# KiCad board testhologram v2.kicad_pcb
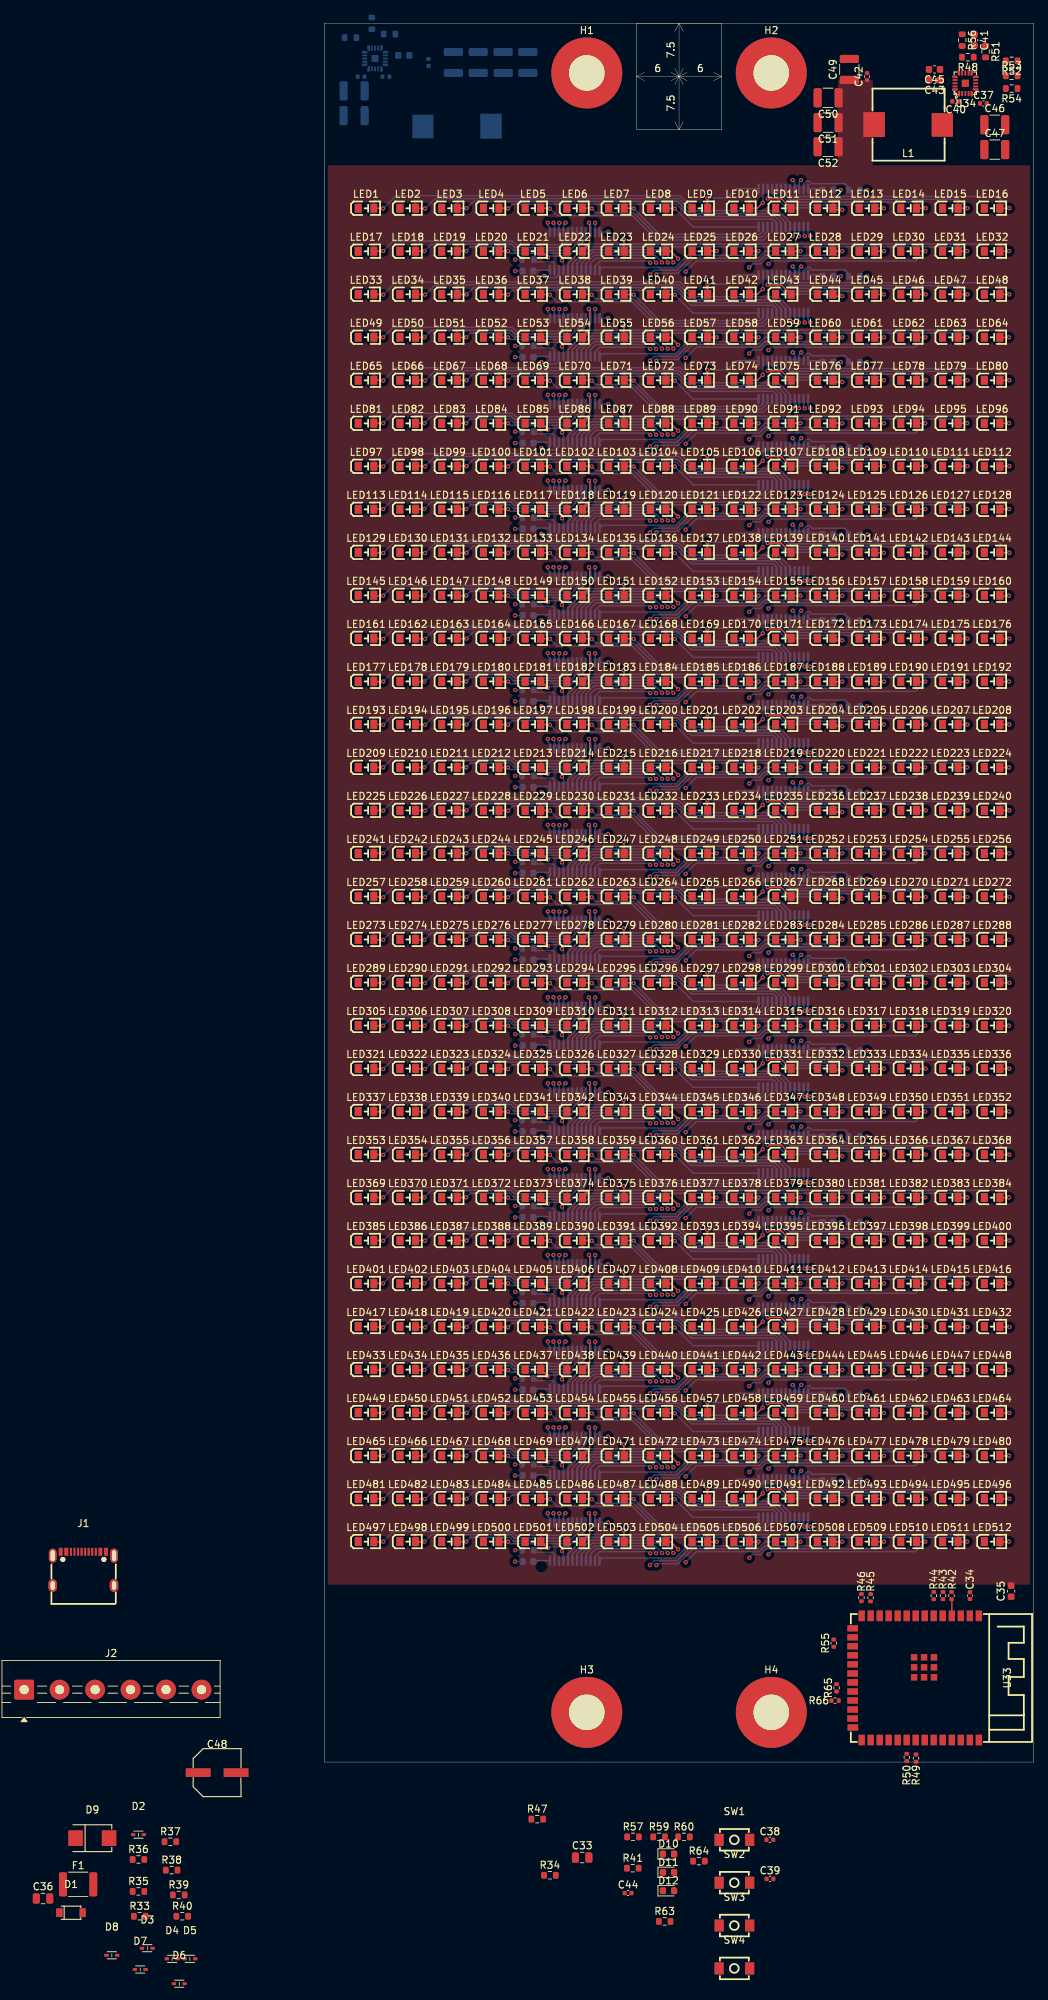
[diagram p0: board, top side]
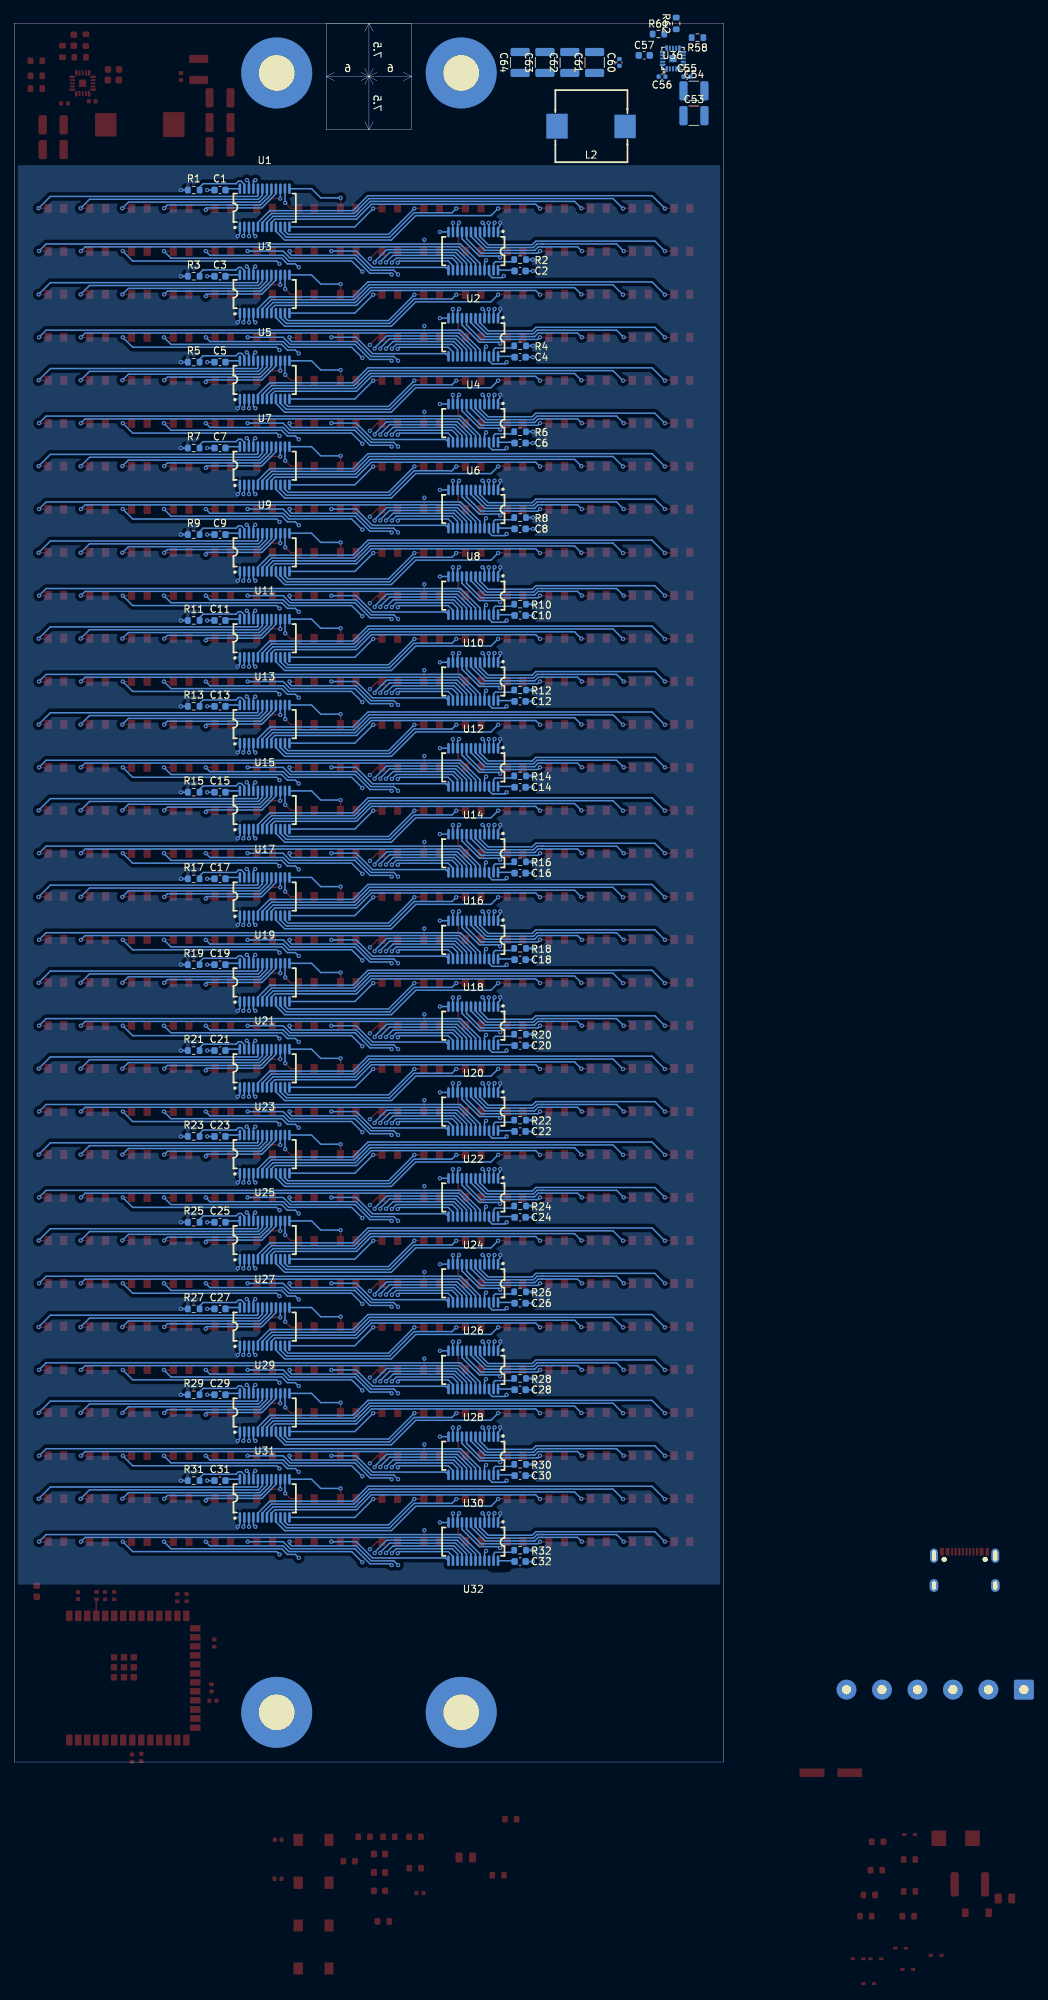
[diagram p1: board, bottom side, seen from below]

Outline 100 x 245 mm; copper layers: Top, In1.Cu, In2.Cu, In3.Cu, In4.Cu, Bottom. Coordinates in mm from the lower left corner of the outline.
Outline path: 100,0 0,0 0,245 100,245 closed ; rectangle 44,245 56,230
Stack: Top 0.035mm / dielectric 0.1mm FR4 er 4.5 / In1.Cu 0.035mm / dielectric 0.535mm FR4 er 4.5 / In2.Cu 0.035mm / dielectric 0.1mm FR4 er 4.5 / In3.Cu 0.035mm / dielectric 0.535mm FR4 er 4.5 / In4.Cu 0.035mm / dielectric 0.1mm FR4 er 4.5 / Bottom 0.035mm

## Placement (name value [footprint] x y rotation side)
C1  C_Small  [C_0603_1608Metric]  71 221.5 180 bottom
C2  C_Small  [C_0603_1608Metric]  28.7 210.1 0 bottom
C3  C_Small  [C_0603_1608Metric]  71 209.35 180 bottom
C4  C_Small  [C_0603_1608Metric]  28.7 197.95 0 bottom
C5  C_Small  [C_0603_1608Metric]  71 197.25 180 bottom
C6  C_Small  [C_0603_1608Metric]  28.7 185.85 0 bottom
C7  C_Small  [C_0603_1608Metric]  71 185.15 180 bottom
C8  C_Small  [C_0603_1608Metric]  28.7 173.75 0 bottom
C9  C_Small  [C_0603_1608Metric]  71 172.95 180 bottom
C10  C_Small  [C_0603_1608Metric]  28.7 161.55 0 bottom
C11  C_Small  [C_0603_1608Metric]  71 160.85 180 bottom
C12  C_Small  [C_0603_1608Metric]  28.7 149.45 0 bottom
C13  C_Small  [C_0603_1608Metric]  71 148.75 180 bottom
C14  C_Small  [C_0603_1608Metric]  28.7 137.35 0 bottom
C15  C_Small  [C_0603_1608Metric]  71 136.65 180 bottom
C16  C_Small  [C_0603_1608Metric]  28.7 125.25 0 bottom
C17  C_Small  [C_0603_1608Metric]  71 124.45 180 bottom
C18  C_Small  [C_0603_1608Metric]  28.7 113.05 0 bottom
C19  C_Small  [C_0603_1608Metric]  71 112.35 180 bottom
C20  C_Small  [C_0603_1608Metric]  28.7 100.95 0 bottom
C21  C_Small  [C_0603_1608Metric]  71 100.25 180 bottom
C22  C_Small  [C_0603_1608Metric]  28.7 88.85 0 bottom
C23  C_Small  [C_0603_1608Metric]  71 88.15 180 bottom
C24  C_Small  [C_0603_1608Metric]  28.7 76.75 0 bottom
C25  C_Small  [C_0603_1608Metric]  71 76.05 180 bottom
C26  C_Small  [C_0603_1608Metric]  28.7 64.65 0 bottom
C27  C_Small  [C_0603_1608Metric]  71 63.85 180 bottom
C28  C_Small  [C_0603_1608Metric]  28.7 52.45 0 bottom
C29  C_Small  [C_0603_1608Metric]  71 51.75 180 bottom
C30  C_Small  [C_0603_1608Metric]  28.7 40.35 0 bottom
C31  C_Small  [C_0603_1608Metric]  71 39.65 180 bottom
C32  C_Small  [C_0603_1608Metric]  28.7 28.25 0 bottom
C33  22uF/25v  [C_0805_2012Metric]  36.35 -13.46 0 top
C34  0.1uF/50v  [C_0402_1005Metric]  91 23.45 90 top
C35  1uF/16v  [C_0603_1608Metric]  96.8 24.07 90 top
C36  10uF/25v  [C_0805_2012Metric]  -39.64 -19.23 0 top
C37  0.1u  [C_0402_1005Metric]  92.9 233.7 0 top
C38  0.1uF/50v  [C_0402_1005Metric]  62.8 -10.96 0 top
C39  0.1uF/50v  [C_0402_1005Metric]  62.82 -16.46 0 top
C40  0.1u  [C_0402_1005Metric]  89 234 180 top
C41  dnp  [C_0603_1608Metric]  91.6 242.62 270 top  (not fitted)
C42  0.1u  [C_0402_1005Metric]  76.5 237.5 90 top
C43  2.2u  [C_0603_1608Metric]  86.03 237 180 top
C44  0.1n  [C_0402_1005Metric]  42.82 -18.46 0 top
C45  1u  [C_0603_1608Metric]  86 238.5 180 top
C46  22u x5r  [C_1210_3225Metric]  94.5 230.7 0 top
C47  22u x5r  [C_1210_3225Metric]  94.5 227.2 0 top
C48  100u  [CAP-SMD_BD6.3-L6.6-W6.6-LS7.3-FD]  -15.1 -1.5 0 top
C49  47u x5r  [C_1210_3225Metric]  74 238.5 90 top
C50  47u x5r  [C_1210_3225Metric]  71 234.5 180 top
C51  47u x5r  [C_1210_3225Metric]  71 231 180 top
C52  47u x5r  [C_1210_3225Metric]  71 227.6 180 top
C53  22u x5r  [C_1210_3225Metric]  4.2 231.98 180 bottom
C54  22u x5r  [C_1210_3225Metric]  4.2 235.48 180 bottom
C55  0.1u  [C_0402_1005Metric]  5.2 237.48 180 bottom
C56  0.1u  [C_0402_1005Metric]  8.7 237.48 0 bottom
C57  2.2u  [C_0603_1608Metric]  11.2 240.48 180 bottom
C60  0.1u  [C_0402_1005Metric]  14.7 239.48 90 bottom
C61  22u x5r  [C_1210_3225Metric]  18.2 239.48 90 bottom
C62  22u x5r  [C_1210_3225Metric]  21.7 239.48 90 bottom
C63  22u x5r  [C_1210_3225Metric]  25.2 239.48 90 bottom
C64  22u x5r  [C_1210_3225Metric]  28.7 239.48 90 bottom
D1  1N5819HW-7-F  [SOD-123_L2.7-W1.6-LS3.7-RD]  -35.69 -21.23 0 top
D2  LESD5Z5.0CT1G  [SOD-523_L1.2-W0.8-LS1.6-BI]  -26.19 -10.23 0 top
D3  LESD5Z5.0CT1G  [SOD-523_L1.2-W0.8-LS1.6-BI]  -24.94 -26.23 0 top
D4  LESD5Z5.0CT1G  [SOD-523_L1.2-W0.8-LS1.6-BI]  -21.44 -27.73 0 top
D5  LESD5Z5.0CT1G  [SOD-523_L1.2-W0.8-LS1.6-BI]  -18.94 -27.73 0 top
D6  LESD5Z5.0CT1G  [SOD-523_L1.2-W0.8-LS1.6-BI]  -20.44 -31.23 0 top
D7  LESD5Z5.0CT1G  [SOD-523_L1.2-W0.8-LS1.6-BI]  -25.94 -29.23 0 top
D8  LESD5Z5.0CT1G  [SOD-523_L1.2-W0.8-LS1.6-BI]  -29.94 -27.23 0 top
D9  SMBJ13A  [SMB_L4.6-W3.6-LS5.3-RD]  -32.69 -10.73 0 top
D10  KT-0603R  [LED_0603_1608Metric]  48.51 -12.96 0 top
D11  KT-0603Y  [LED_0603_1608Metric]  48.51 -15.55 0 top
D12  KT-0603B  [LED_0603_1608Metric]  48.51 -18.14 0 top
F1  SMD1812-300C-30V  [Fuse_1812_4532Metric]  -34.69 -17.23 0 top
H1  topLeft  [MountingHole_5mm_Pad]  37 238 0 top
H2  topRight  [MountingHole_5mm_Pad]  63 238 0 top
H3  botLeft  [MountingHole_5mm_Pad]  37 7 0 top
H4  botRight  [MountingHole_5mm_Pad]  63 7 0 top
J1  USB_C_Receptacle_USB2.0_16P  [USB-C-SMD_TYPE-C-6PIN-2MD-073]  -33.95 27.25 0 top
J2  Conn_01x06_Socket  [TerminalBlock_MaiXu_MX126-5.0-06P_1x06_P5.00mm]  -42.3 10.2 0 top
L1  2.2u  [IND-SMD_L10.8-W10.0]  82.3 230.7 180 top
L2  4.7u  [IND-SMD_L10.8-W10.0]  18.7 230.48 0 bottom
LED1  0805G (Green)  [LED0805-RD]  5.88 218.94 0 top
LED2  0805G (Green)  [LED0805-RD]  11.76 218.94 0 top
LED3  0805G (Green)  [LED0805-RD]  17.65 218.94 0 top
LED4  0805G (Green)  [LED0805-RD]  23.53 218.94 0 top
LED5  0805G (Green)  [LED0805-RD]  29.41 218.94 0 top
LED6  0805G (Green)  [LED0805-RD]  35.29 218.94 0 top
LED7  0805G (Green)  [LED0805-RD]  41.18 218.94 0 top
LED8  0805G (Green)  [LED0805-RD]  47.06 218.94 0 top
LED9  0805G (Green)  [LED0805-RD]  52.94 218.94 0 top
LED10  0805G (Green)  [LED0805-RD]  58.82 218.94 0 top
LED11  0805G (Green)  [LED0805-RD]  64.71 218.94 0 top
LED12  0805G (Green)  [LED0805-RD]  70.59 218.94 0 top
LED13  0805G (Green)  [LED0805-RD]  76.47 218.94 0 top
LED14  0805G (Green)  [LED0805-RD]  82.35 218.94 0 top
LED15  0805G (Green)  [LED0805-RD]  88.24 218.94 0 top
LED16  0805G (Green)  [LED0805-RD]  94.12 218.94 0 top
LED17  0805G (Green)  [LED0805-RD]  5.88 212.88 0 top
LED18  0805G (Green)  [LED0805-RD]  11.76 212.88 0 top
LED19  0805G (Green)  [LED0805-RD]  17.65 212.88 0 top
LED20  0805G (Green)  [LED0805-RD]  23.53 212.88 0 top
LED21  0805G (Green)  [LED0805-RD]  29.41 212.88 0 top
LED22  0805G (Green)  [LED0805-RD]  35.29 212.88 0 top
LED23  0805G (Green)  [LED0805-RD]  41.18 212.88 0 top
LED24  0805G (Green)  [LED0805-RD]  47.06 212.88 0 top
LED25  0805G (Green)  [LED0805-RD]  52.94 212.88 0 top
LED26  0805G (Green)  [LED0805-RD]  58.82 212.88 0 top
LED27  0805G (Green)  [LED0805-RD]  64.71 212.88 0 top
LED28  0805G (Green)  [LED0805-RD]  70.59 212.88 0 top
LED29  0805G (Green)  [LED0805-RD]  76.47 212.88 0 top
LED30  0805G (Green)  [LED0805-RD]  82.35 212.88 0 top
LED31  0805G (Green)  [LED0805-RD]  88.24 212.88 0 top
LED32  0805G (Green)  [LED0805-RD]  94.12 212.88 0 top
LED33  0805G (Green)  [LED0805-RD]  5.88 206.82 0 top
LED34  0805G (Green)  [LED0805-RD]  11.76 206.82 0 top
LED35  0805G (Green)  [LED0805-RD]  17.65 206.82 0 top
LED36  0805G (Green)  [LED0805-RD]  23.53 206.82 0 top
LED37  0805G (Green)  [LED0805-RD]  29.41 206.82 0 top
LED38  0805G (Green)  [LED0805-RD]  35.29 206.82 0 top
LED39  0805G (Green)  [LED0805-RD]  41.18 206.82 0 top
LED40  0805G (Green)  [LED0805-RD]  47.06 206.82 0 top
LED41  0805G (Green)  [LED0805-RD]  52.94 206.82 0 top
LED42  0805G (Green)  [LED0805-RD]  58.82 206.82 0 top
LED43  0805G (Green)  [LED0805-RD]  64.71 206.82 0 top
LED44  0805G (Green)  [LED0805-RD]  70.59 206.82 0 top
LED45  0805G (Green)  [LED0805-RD]  76.47 206.82 0 top
LED46  0805G (Green)  [LED0805-RD]  82.35 206.82 0 top
LED47  0805G (Green)  [LED0805-RD]  88.24 206.82 0 top
LED48  0805G (Green)  [LED0805-RD]  94.12 206.82 0 top
LED49  0805G (Green)  [LED0805-RD]  5.88 200.76 0 top
LED50  0805G (Green)  [LED0805-RD]  11.76 200.76 0 top
LED51  0805G (Green)  [LED0805-RD]  17.65 200.76 0 top
LED52  0805G (Green)  [LED0805-RD]  23.53 200.76 0 top
LED53  0805G (Green)  [LED0805-RD]  29.41 200.76 0 top
LED54  0805G (Green)  [LED0805-RD]  35.29 200.76 0 top
LED55  0805G (Green)  [LED0805-RD]  41.18 200.76 0 top
LED56  0805G (Green)  [LED0805-RD]  47.06 200.76 0 top
LED57  0805G (Green)  [LED0805-RD]  52.94 200.76 0 top
LED58  0805G (Green)  [LED0805-RD]  58.82 200.76 0 top
LED59  0805G (Green)  [LED0805-RD]  64.71 200.76 0 top
LED60  0805G (Green)  [LED0805-RD]  70.59 200.76 0 top
LED61  0805G (Green)  [LED0805-RD]  76.47 200.76 0 top
LED62  0805G (Green)  [LED0805-RD]  82.35 200.76 0 top
LED63  0805G (Green)  [LED0805-RD]  88.24 200.76 0 top
LED64  0805G (Green)  [LED0805-RD]  94.12 200.76 0 top
LED65  0805G (Green)  [LED0805-RD]  5.88 194.7 0 top
LED66  0805G (Green)  [LED0805-RD]  11.76 194.7 0 top
LED67  0805G (Green)  [LED0805-RD]  17.65 194.7 0 top
LED68  0805G (Green)  [LED0805-RD]  23.53 194.7 0 top
LED69  0805G (Green)  [LED0805-RD]  29.41 194.7 0 top
LED70  0805G (Green)  [LED0805-RD]  35.29 194.7 0 top
LED71  0805G (Green)  [LED0805-RD]  41.18 194.7 0 top
LED72  0805G (Green)  [LED0805-RD]  47.06 194.7 0 top
LED73  0805G (Green)  [LED0805-RD]  52.94 194.7 0 top
LED74  0805G (Green)  [LED0805-RD]  58.82 194.7 0 top
LED75  0805G (Green)  [LED0805-RD]  64.71 194.7 0 top
LED76  0805G (Green)  [LED0805-RD]  70.59 194.7 0 top
LED77  0805G (Green)  [LED0805-RD]  76.47 194.7 0 top
LED78  0805G (Green)  [LED0805-RD]  82.35 194.7 0 top
LED79  0805G (Green)  [LED0805-RD]  88.24 194.7 0 top
LED80  0805G (Green)  [LED0805-RD]  94.12 194.7 0 top
LED81  0805G (Green)  [LED0805-RD]  5.88 188.64 0 top
LED82  0805G (Green)  [LED0805-RD]  11.76 188.64 0 top
LED83  0805G (Green)  [LED0805-RD]  17.65 188.64 0 top
LED84  0805G (Green)  [LED0805-RD]  23.53 188.64 0 top
LED85  0805G (Green)  [LED0805-RD]  29.41 188.64 0 top
LED86  0805G (Green)  [LED0805-RD]  35.29 188.64 0 top
LED87  0805G (Green)  [LED0805-RD]  41.18 188.64 0 top
LED88  0805G (Green)  [LED0805-RD]  47.06 188.64 0 top
LED89  0805G (Green)  [LED0805-RD]  52.94 188.64 0 top
LED90  0805G (Green)  [LED0805-RD]  58.82 188.64 0 top
LED91  0805G (Green)  [LED0805-RD]  64.71 188.64 0 top
LED92  0805G (Green)  [LED0805-RD]  70.59 188.64 0 top
LED93  0805G (Green)  [LED0805-RD]  76.47 188.64 0 top
LED94  0805G (Green)  [LED0805-RD]  82.35 188.64 0 top
LED95  0805G (Green)  [LED0805-RD]  88.24 188.64 0 top
LED96  0805G (Green)  [LED0805-RD]  94.12 188.64 0 top
LED97  0805G (Green)  [LED0805-RD]  5.88 182.58 0 top
LED98  0805G (Green)  [LED0805-RD]  11.76 182.58 0 top
LED99  0805G (Green)  [LED0805-RD]  17.65 182.58 0 top
LED100  0805G (Green)  [LED0805-RD]  23.53 182.58 0 top
LED101  0805G (Green)  [LED0805-RD]  29.41 182.58 0 top
LED102  0805G (Green)  [LED0805-RD]  35.29 182.58 0 top
LED103  0805G (Green)  [LED0805-RD]  41.18 182.58 0 top
LED104  0805G (Green)  [LED0805-RD]  47.06 182.58 0 top
LED105  0805G (Green)  [LED0805-RD]  52.94 182.58 0 top
LED106  0805G (Green)  [LED0805-RD]  58.82 182.58 0 top
LED107  0805G (Green)  [LED0805-RD]  64.71 182.58 0 top
LED108  0805G (Green)  [LED0805-RD]  70.59 182.58 0 top
LED109  0805G (Green)  [LED0805-RD]  76.47 182.58 0 top
LED110  0805G (Green)  [LED0805-RD]  82.35 182.58 0 top
LED111  0805G (Green)  [LED0805-RD]  88.24 182.58 0 top
LED112  0805G (Green)  [LED0805-RD]  94.12 182.58 0 top
LED113  0805G (Green)  [LED0805-RD]  5.88 176.52 0 top
LED114  0805G (Green)  [LED0805-RD]  11.76 176.52 0 top
LED115  0805G (Green)  [LED0805-RD]  17.65 176.52 0 top
LED116  0805G (Green)  [LED0805-RD]  23.53 176.52 0 top
LED117  0805G (Green)  [LED0805-RD]  29.41 176.52 0 top
LED118  0805G (Green)  [LED0805-RD]  35.29 176.52 0 top
LED119  0805G (Green)  [LED0805-RD]  41.18 176.52 0 top
LED120  0805G (Green)  [LED0805-RD]  47.06 176.52 0 top
LED121  0805G (Green)  [LED0805-RD]  52.94 176.52 0 top
LED122  0805G (Green)  [LED0805-RD]  58.82 176.52 0 top
LED123  0805G (Green)  [LED0805-RD]  64.71 176.52 0 top
LED124  0805G (Green)  [LED0805-RD]  70.59 176.52 0 top
LED125  0805G (Green)  [LED0805-RD]  76.47 176.52 0 top
LED126  0805G (Green)  [LED0805-RD]  82.35 176.52 0 top
LED127  0805G (Green)  [LED0805-RD]  88.24 176.52 0 top
LED128  0805G (Green)  [LED0805-RD]  94.12 176.52 0 top
LED129  0805G (Green)  [LED0805-RD]  5.88 170.45 0 top
LED130  0805G (Green)  [LED0805-RD]  11.76 170.45 0 top
LED131  0805G (Green)  [LED0805-RD]  17.65 170.45 0 top
LED132  0805G (Green)  [LED0805-RD]  23.53 170.45 0 top
LED133  0805G (Green)  [LED0805-RD]  29.41 170.45 0 top
LED134  0805G (Green)  [LED0805-RD]  35.29 170.45 0 top
LED135  0805G (Green)  [LED0805-RD]  41.18 170.45 0 top
LED136  0805G (Green)  [LED0805-RD]  47.06 170.45 0 top
LED137  0805G (Green)  [LED0805-RD]  52.94 170.45 0 top
LED138  0805G (Green)  [LED0805-RD]  58.82 170.45 0 top
LED139  0805G (Green)  [LED0805-RD]  64.71 170.45 0 top
LED140  0805G (Green)  [LED0805-RD]  70.59 170.45 0 top
LED141  0805G (Green)  [LED0805-RD]  76.47 170.45 0 top
LED142  0805G (Green)  [LED0805-RD]  82.35 170.45 0 top
LED143  0805G (Green)  [LED0805-RD]  88.24 170.45 0 top
LED144  0805G (Green)  [LED0805-RD]  94.12 170.45 0 top
LED145  0805G (Green)  [LED0805-RD]  5.88 164.39 0 top
LED146  0805G (Green)  [LED0805-RD]  11.76 164.39 0 top
LED147  0805G (Green)  [LED0805-RD]  17.65 164.39 0 top
LED148  0805G (Green)  [LED0805-RD]  23.53 164.39 0 top
LED149  0805G (Green)  [LED0805-RD]  29.41 164.39 0 top
LED150  0805G (Green)  [LED0805-RD]  35.29 164.39 0 top
LED151  0805G (Green)  [LED0805-RD]  41.18 164.39 0 top
LED152  0805G (Green)  [LED0805-RD]  47.06 164.39 0 top
LED153  0805G (Green)  [LED0805-RD]  52.94 164.39 0 top
LED154  0805G (Green)  [LED0805-RD]  58.82 164.39 0 top
LED155  0805G (Green)  [LED0805-RD]  64.71 164.39 0 top
LED156  0805G (Green)  [LED0805-RD]  70.59 164.39 0 top
LED157  0805G (Green)  [LED0805-RD]  76.47 164.39 0 top
LED158  0805G (Green)  [LED0805-RD]  82.35 164.39 0 top
LED159  0805G (Green)  [LED0805-RD]  88.24 164.39 0 top
LED160  0805G (Green)  [LED0805-RD]  94.12 164.39 0 top
LED161  0805G (Green)  [LED0805-RD]  5.88 158.33 0 top
LED162  0805G (Green)  [LED0805-RD]  11.76 158.33 0 top
LED163  0805G (Green)  [LED0805-RD]  17.65 158.33 0 top
LED164  0805G (Green)  [LED0805-RD]  23.53 158.33 0 top
LED165  0805G (Green)  [LED0805-RD]  29.41 158.33 0 top
LED166  0805G (Green)  [LED0805-RD]  35.29 158.33 0 top
LED167  0805G (Green)  [LED0805-RD]  41.18 158.33 0 top
LED168  0805G (Green)  [LED0805-RD]  47.06 158.33 0 top
LED169  0805G (Green)  [LED0805-RD]  52.94 158.33 0 top
LED170  0805G (Green)  [LED0805-RD]  58.82 158.33 0 top
LED171  0805G (Green)  [LED0805-RD]  64.71 158.33 0 top
LED172  0805G (Green)  [LED0805-RD]  70.59 158.33 0 top
LED173  0805G (Green)  [LED0805-RD]  76.47 158.33 0 top
LED174  0805G (Green)  [LED0805-RD]  82.35 158.33 0 top
LED175  0805G (Green)  [LED0805-RD]  88.24 158.33 0 top
LED176  0805G (Green)  [LED0805-RD]  94.12 158.33 0 top
LED177  0805G (Green)  [LED0805-RD]  5.88 152.27 0 top
LED178  0805G (Green)  [LED0805-RD]  11.76 152.27 0 top
LED179  0805G (Green)  [LED0805-RD]  17.65 152.27 0 top
LED180  0805G (Green)  [LED0805-RD]  23.53 152.27 0 top
LED181  0805G (Green)  [LED0805-RD]  29.41 152.27 0 top
LED182  0805G (Green)  [LED0805-RD]  35.29 152.27 0 top
LED183  0805G (Green)  [LED0805-RD]  41.18 152.27 0 top
LED184  0805G (Green)  [LED0805-RD]  47.06 152.27 0 top
LED185  0805G (Green)  [LED0805-RD]  52.94 152.27 0 top
LED186  0805G (Green)  [LED0805-RD]  58.82 152.27 0 top
LED187  0805G (Green)  [LED0805-RD]  64.71 152.27 0 top
LED188  0805G (Green)  [LED0805-RD]  70.59 152.27 0 top
LED189  0805G (Green)  [LED0805-RD]  76.47 152.27 0 top
LED190  0805G (Green)  [LED0805-RD]  82.35 152.27 0 top
LED191  0805G (Green)  [LED0805-RD]  88.24 152.27 0 top
LED192  0805G (Green)  [LED0805-RD]  94.12 152.27 0 top
LED193  0805G (Green)  [LED0805-RD]  5.88 146.21 0 top
LED194  0805G (Green)  [LED0805-RD]  11.76 146.21 0 top
LED195  0805G (Green)  [LED0805-RD]  17.65 146.21 0 top
LED196  0805G (Green)  [LED0805-RD]  23.53 146.21 0 top
LED197  0805G (Green)  [LED0805-RD]  29.41 146.21 0 top
LED198  0805G (Green)  [LED0805-RD]  35.29 146.21 0 top
LED199  0805G (Green)  [LED0805-RD]  41.18 146.21 0 top
LED200  0805G (Green)  [LED0805-RD]  47.06 146.21 0 top
LED201  0805G (Green)  [LED0805-RD]  52.94 146.21 0 top
LED202  0805G (Green)  [LED0805-RD]  58.82 146.21 0 top
LED203  0805G (Green)  [LED0805-RD]  64.71 146.21 0 top
LED204  0805G (Green)  [LED0805-RD]  70.59 146.21 0 top
LED205  0805G (Green)  [LED0805-RD]  76.47 146.21 0 top
LED206  0805G (Green)  [LED0805-RD]  82.35 146.21 0 top
LED207  0805G (Green)  [LED0805-RD]  88.24 146.21 0 top
LED208  0805G (Green)  [LED0805-RD]  94.12 146.21 0 top
LED209  0805G (Green)  [LED0805-RD]  5.88 140.15 0 top
LED210  0805G (Green)  [LED0805-RD]  11.76 140.15 0 top
LED211  0805G (Green)  [LED0805-RD]  17.65 140.15 0 top
LED212  0805G (Green)  [LED0805-RD]  23.53 140.15 0 top
LED213  0805G (Green)  [LED0805-RD]  29.41 140.15 0 top
LED214  0805G (Green)  [LED0805-RD]  35.29 140.15 0 top
LED215  0805G (Green)  [LED0805-RD]  41.18 140.15 0 top
LED216  0805G (Green)  [LED0805-RD]  47.06 140.15 0 top
LED217  0805G (Green)  [LED0805-RD]  52.94 140.15 0 top
LED218  0805G (Green)  [LED0805-RD]  58.82 140.15 0 top
LED219  0805G (Green)  [LED0805-RD]  64.71 140.15 0 top
LED220  0805G (Green)  [LED0805-RD]  70.59 140.15 0 top
LED221  0805G (Green)  [LED0805-RD]  76.47 140.15 0 top
LED222  0805G (Green)  [LED0805-RD]  82.35 140.15 0 top
LED223  0805G (Green)  [LED0805-RD]  88.24 140.15 0 top
LED224  0805G (Green)  [LED0805-RD]  94.12 140.15 0 top
LED225  0805G (Green)  [LED0805-RD]  5.88 134.09 0 top
LED226  0805G (Green)  [LED0805-RD]  11.76 134.09 0 top
LED227  0805G (Green)  [LED0805-RD]  17.65 134.09 0 top
LED228  0805G (Green)  [LED0805-RD]  23.53 134.09 0 top
LED229  0805G (Green)  [LED0805-RD]  29.41 134.09 0 top
LED230  0805G (Green)  [LED0805-RD]  35.29 134.09 0 top
LED231  0805G (Green)  [LED0805-RD]  41.18 134.09 0 top
LED232  0805G (Green)  [LED0805-RD]  47.06 134.09 0 top
LED233  0805G (Green)  [LED0805-RD]  52.94 134.09 0 top
LED234  0805G (Green)  [LED0805-RD]  58.82 134.09 0 top
LED235  0805G (Green)  [LED0805-RD]  64.71 134.09 0 top
LED236  0805G (Green)  [LED0805-RD]  70.59 134.09 0 top
LED237  0805G (Green)  [LED0805-RD]  76.47 134.09 0 top
LED238  0805G (Green)  [LED0805-RD]  82.35 134.09 0 top
LED239  0805G (Green)  [LED0805-RD]  88.24 134.09 0 top
LED240  0805G (Green)  [LED0805-RD]  94.12 134.09 0 top
LED241  0805G (Green)  [LED0805-RD]  5.88 128.03 0 top
LED242  0805G (Green)  [LED0805-RD]  11.76 128.03 0 top
LED243  0805G (Green)  [LED0805-RD]  17.65 128.03 0 top
LED244  0805G (Green)  [LED0805-RD]  23.53 128.03 0 top
LED245  0805G (Green)  [LED0805-RD]  29.41 128.03 0 top
LED246  0805G (Green)  [LED0805-RD]  35.29 128.03 0 top
LED247  0805G (Green)  [LED0805-RD]  41.18 128.03 0 top
LED248  0805G (Green)  [LED0805-RD]  47.06 128.03 0 top
LED249  0805G (Green)  [LED0805-RD]  52.94 128.03 0 top
LED250  0805G (Green)  [LED0805-RD]  58.82 128.03 0 top
LED251  0805G (Green)  [LED0805-RD]  64.71 128.03 0 top
LED252  0805G (Green)  [LED0805-RD]  70.59 128.03 0 top
LED253  0805G (Green)  [LED0805-RD]  76.47 128.03 0 top
LED254  0805G (Green)  [LED0805-RD]  82.35 128.03 0 top
LED255  0805G (Green)  [LED0805-RD]  88.24 128.03 0 top
LED256  0805G (Green)  [LED0805-RD]  94.12 128.03 0 top
LED257  0805G (Green)  [LED0805-RD]  5.88 121.97 0 top
LED258  0805G (Green)  [LED0805-RD]  11.76 121.97 0 top
LED259  0805G (Green)  [LED0805-RD]  17.65 121.97 0 top
LED260  0805G (Green)  [LED0805-RD]  23.53 121.97 0 top
LED261  0805G (Green)  [LED0805-RD]  29.41 121.97 0 top
LED262  0805G (Green)  [LED0805-RD]  35.29 121.97 0 top
LED263  0805G (Green)  [LED0805-RD]  41.18 121.97 0 top
LED264  0805G (Green)  [LED0805-RD]  47.06 121.97 0 top
LED265  0805G (Green)  [LED0805-RD]  52.94 121.97 0 top
LED266  0805G (Green)  [LED0805-RD]  58.82 121.97 0 top
LED267  0805G (Green)  [LED0805-RD]  64.71 121.97 0 top
LED268  0805G (Green)  [LED0805-RD]  70.59 121.97 0 top
LED269  0805G (Green)  [LED0805-RD]  76.47 121.97 0 top
LED270  0805G (Green)  [LED0805-RD]  82.35 121.97 0 top
LED271  0805G (Green)  [LED0805-RD]  88.24 121.97 0 top
LED272  0805G (Green)  [LED0805-RD]  94.12 121.97 0 top
LED273  0805G (Green)  [LED0805-RD]  5.88 115.91 0 top
LED274  0805G (Green)  [LED0805-RD]  11.76 115.91 0 top
LED275  0805G (Green)  [LED0805-RD]  17.65 115.91 0 top
LED276  0805G (Green)  [LED0805-RD]  23.53 115.91 0 top
LED277  0805G (Green)  [LED0805-RD]  29.41 115.91 0 top
LED278  0805G (Green)  [LED0805-RD]  35.29 115.91 0 top